# Allegro board Try it by yourself - iMX6Rex module - Create Class and Assign Color.brd (continued)
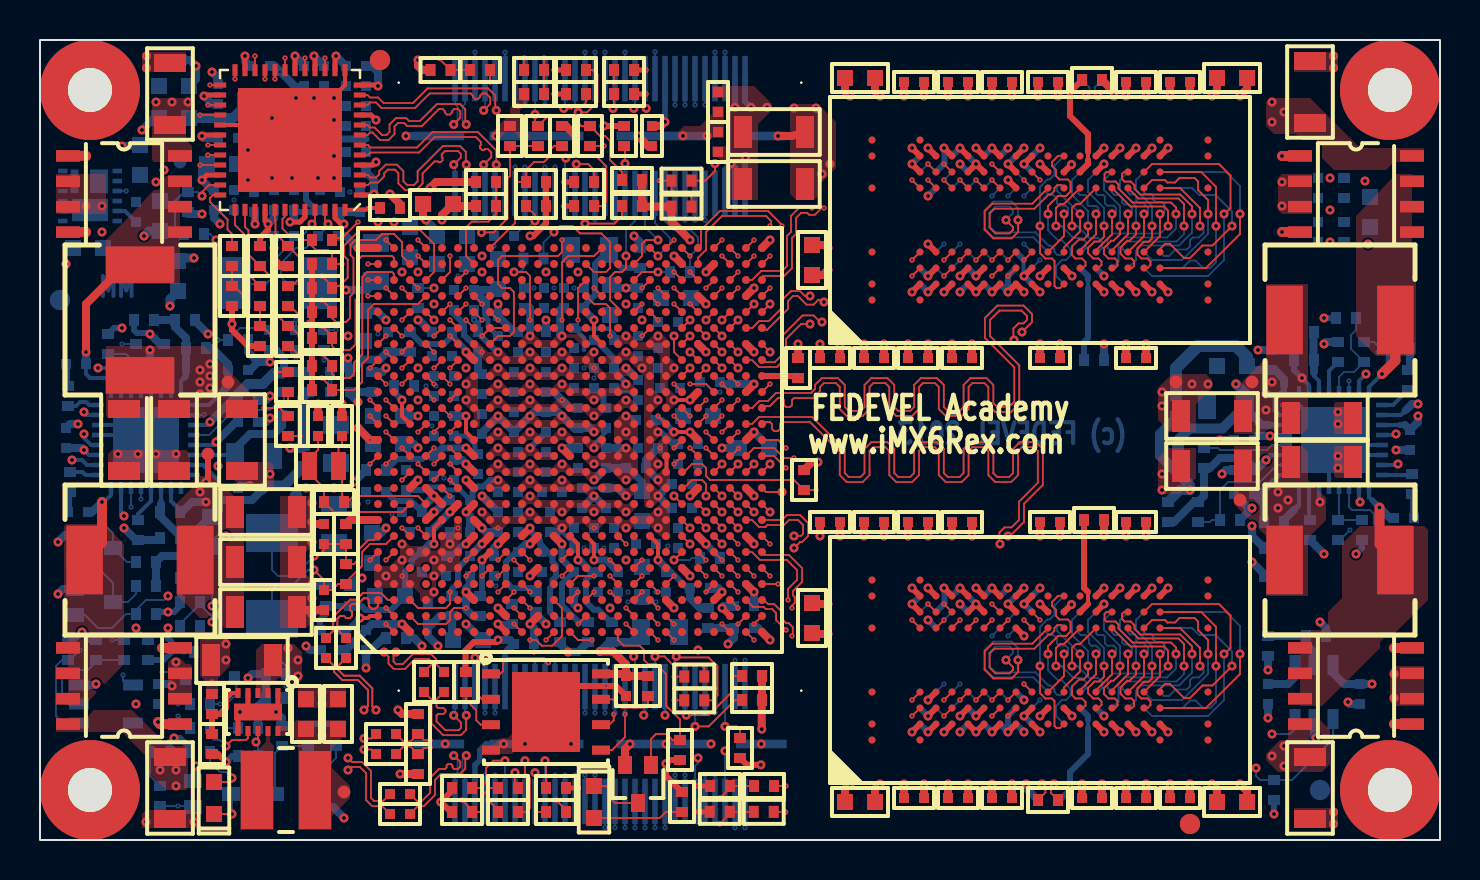
[diagram p0: board, top side]
## Routing (per net, layer and track width the routed paths; a pad name or vN(x,y) marks a point on that pad's centre or on a via; arc(x,y) is an arc through that point) (continued)
  BOTTOM w0.2: v1(1.6,19) 2.1,19 2.35,18.75 U11.18
LGATE2_1V5: length 11
  TOP w0.5: v1(67.7,9.6) 68.59,9.6 Q7.4
  L3 w0.5: v1(67.9,18.8) 67.7,18.6 67.7,18.4
  L3 w0.6: 67.7,9.9 v1(67.7,9.6)
  L3 w0.8: 67.7,18.4 67.7,9.9
  BOTTOM w0.2: v1(67.9,18.8) 67.85,18.75 U13.23
LGATE2_1V375: length 11.2
  TOP w0.5: v1(2.3,30.4) 2.29,30.4 Q4.4
  L3 w0.6: 2.3,30 v1(2.3,30.4) ; v1(2.2,21.4) 1.9,21.7
  L3 w0.8: 2.3,30 2.3,28.7 1.57,27.98 1.57,22.03 1.9,21.7
  BOTTOM w0.2: v1(2.2,21.4) 2.35,21.25 U11.23
LVDS0_CABC: length 46.6
  TOP w0.093: v1(34.25,5.68) 34.82,5.68 35,5.5 R33.1 ; U1.A17 v2(17.3,22.8)
  L2 w0.1: v3(17,22.5) v2(17.3,22.8)
  L3 w0.08: v1(34.25,5.68) 33.84,5.68 33.28,5.12 31.9,5.12 31.65,5.38 31.01,5.38 30.69,5.05 30.16,5.05 29.83,5.38 29.21,5.38 28.95,5.12 27.12,5.12 26.83,5.41 26.34,5.41 26.1,5.17 25.85,5.17 25.6,5.43 22.49,5.43 22.22,5.7 21.18,5.7 21.08,5.8 20.4,5.8 20.2,6 19.2,6 18.92,5.73 18.17,5.73 17.89,5.45 17.55,5.45 16.87,6.13 15.8,6.13 15.52,6.41 15.52,7.17 14.63,8.05 13.65,8.05 12.9,7.3 v4(12.9,7.1) ; v3(17,22.5) v4(17.3,22.2)
  L10 w0.08: v4(17.3,22.2) 17.3,22.18 16.22,21.1 15.87,21.1 15.3,20.53 15.3,18.31 15.12,18.13 15.12,17.49 14.7,17.07 14.7,10.4 13.27,8.98 13.27,8.04 12.9,7.67 v4(12.9,7.1)
  BOTTOM w0.093: v1(34.25,5.68) J2.6
LVDS0_CLK_N: length 17.5
  TOP w0.09: U1.V4 v2(30.9,12.4)
  L2 w0.1: v3(30.6,12.7) v2(30.9,12.4)
  L3 w0.085: v4(30.3,12.4) v3(30.6,12.7)
  L10 w0.085: v5(32.05,2.84) 32,2.89 30.71,2.89 30,3.6 30,4.36 30.6,4.96 30.6,8.1 30.17,8.53 28.87,8.53 28.37,9.03 28.37,9.76 28.8,10.2 29.4,10.2 29.62,10.42 29.62,11.72 v4(30.3,12.4)
  L11 w0.1: v6(32.25,3.24) 32.05,3.04 v5(32.05,2.84)
  BOTTOM w0.09: J2.13 v6(32.25,3.24)
LVDS0_CLK_P: length 17.5
  TOP w0.09: U1.V3 v2(30.9,11.6)
  L2 w0.1: v3(30.6,11.9) v2(30.9,11.6)
  L3 w0.085: v3(30.6,11.9) v4(30.9,12.2)
  L10 w0.085: v4(30.9,12.2) 30.75,12.2 30.49,11.94 30.23,11.94 29.9,11.6 29.9,10.3 29.52,9.92 28.92,9.92 28.65,9.65 28.65,9.15 28.98,8.81 30.28,8.81 30.88,8.22 30.88,4.84 30.28,4.24 30.28,3.72 30.82,3.17 31.85,3.17 31.95,3.27 v5(31.95,3.64)
  L11 w0.1: v6(31.75,3.24) 31.95,3.44 v5(31.95,3.64)
  BOTTOM w0.09: J2.15 v6(31.75,3.24)
LVDS0_PWM: length 52.6
  TOP w0.093: v2(20.5,23.6) U1.F18
  L2 w0.1: v3(20.1,23.3) 20.4,23.6 v2(20.5,23.6)
  L3 w0.08: v4(20.4,22.8) 20.1,23.1 v3(20.1,23.3) ; v1(34.25,4.46) 34.22,4.43 33.38,4.43 32.94,4.87 31.81,4.87 31.5,5.17 31.14,5.17 30.77,4.8 30.07,4.8 29.7,5.17 29.34,5.17 29.04,4.87 27.04,4.87 26.72,5.18 26.39,5.18 26.11,4.9 25.75,4.9 25.47,5.18 22.36,5.18 22.14,5.4 21.2,5.4 21,5.6 20.32,5.6 20.12,5.8 19.28,5.8 19.01,5.53 18.3,5.53 17.97,5.2 17.47,5.2 16.74,5.93 15.62,5.93 15.32,6.23 15.32,7.03 14.55,7.8 13.9,7.8 13.27,7.17 13.27,6.48 v4(13.1,6.3)
  L10 w0.08: v4(20.4,22.8) 20.9,22.3 20.9,21.87 20.66,21.63 19.85,21.63 19.1,22.38 18.74,22.38 18.52,22.16 18.52,21.89 18.23,21.6 17,21.6 16.27,20.87 16.27,20.44 16.03,20.2 15.7,20.2 15.5,20 15.5,18.23 15.32,18.05 15.32,17.41 14.9,16.99 14.9,10.32 13.47,8.89 13.47,7.96 13.27,7.76 13.27,6.48 v4(13.1,6.3)
  BOTTOM w0.093: J2.5 v1(34.25,4.46)
LVDS0_TX0_N: length 17.4
  TOP w0.09: v2(29.3,11.6) U1.U2
  L2 w0.1: v2(29.3,11.6) v3(29,11.3)
  L3 w0.085: v4(28.6,10.9) v3(29,11.3)
  L10 w0.085: v4(28.6,10.9) 28.78,11.08 28.78,11.36 28.87,11.45 28.87,11.75 28.52,12.1 28.52,13.04 29.12,13.63 29.45,13.63 30.49,14.67 31.94,14.67 33.28,13.34 33.28,13.02 33.73,12.57 33.73,11.38 35.05,10.07 35.05,8.91 34.85,8.71 v5(34.85,8.58)
  L11 w0.1: v5(34.85,8.58) v6(35.25,8.98)
  BOTTOM w0.09: J2.2 v6(35.25,8.98)
LVDS0_TX0_P: length 17.4
  TOP w0.09: v2(29.3,10.8) U1.U1
  L2 w0.1: v2(29.3,10.8) v3(29.6,11.1)
  L3 w0.085: v4(29.2,10.7) v3(29.6,11.1)
  L10 w0.085: v5(34.35,8.58) 34.35,8.61 34.77,9.03 34.77,9.95 33.45,11.27 33.45,12.45 33,12.9 33,13.22 32.57,13.65 32.37,13.65 32.21,13.49 32.07,13.49 31.96,13.6 31.96,13.74 32.12,13.9 32.12,14.1 31.83,14.39 30.61,14.39 29.57,13.35 29.23,13.35 28.8,12.92 28.8,12.22 29.15,11.87 29.15,11.33 29.06,11.25 29.06,10.84 v4(29.2,10.7)
  L11 w0.1: v5(34.35,8.58) v6(34.75,8.98)
  BOTTOM w0.09: J2.4 v6(34.75,8.98)
LVDS0_TX1_N: length 17.4
  TOP w0.09: U1.U4 v2(30.1,13.2)
  L2 w0.1: v3(29.8,12.9) v2(30.1,13.2)
  L3 w0.085: v3(29.8,12.9) U1.U4 29.4,12.8 v4(29.3,12.9)
  L10 w0.085: v5(33.75,6.76) 34.04,6.76 34.28,6.52 34.28,6.25 34.68,5.85 35.3,5.85 35.7,6.25 35.7,7.5 35.16,8.04 34.24,8.04 33.9,8.38 33.9,9.02 33.55,9.37 33.55,10.45 32.93,11.07 32.93,11.62 31.37,13.18 29.96,13.18 29.69,12.9 29.3,12.9 v4(29.3,12.9)
  L11 w0.1: v6(33.75,6.36) v5(33.75,6.76)
  BOTTOM w0.09: v6(33.75,6.36) J2.8
LVDS0_TX1_P: length 17.4
  TOP w0.09: U1.U3 v2(30.1,12.4)
  L2 w0.1: v3(29.8,12.1) v2(30.1,12.4)
  L3 w0.085: v3(29.8,12.1) 29.6,12.3 v4(29.3,12.3)
  L10 w0.085: v5(33.25,6.76) 33.25,6.95 33.43,7.13 33.9,7.13 34,7.04 34.16,7.04 34.56,6.64 34.56,6.37 34.8,6.13 35.18,6.13 35.42,6.37 35.42,7.38 35.05,7.76 34.13,7.76 33.62,8.26 33.62,8.9 33.27,9.25 33.27,10.34 32.65,10.95 32.65,11.5 31.25,12.9 30.08,12.9 29.8,12.62 29.68,12.62 29.35,12.3 v4(29.3,12.3)
  L11 w0.1: v6(33.25,6.36) v5(33.25,6.76)
  BOTTOM w0.09: v6(33.25,6.36) J2.10
LVDS0_TX2_N: length 17.4
  TOP w0.09: U1.V2 v2(30.9,10.8)
  L2 w0.1: v3(30.6,11.1) v2(30.9,10.8)
  L3 w0.085: v4(30.3,10.8) v3(30.6,11.1)
  L10 w0.085: v4(30.3,10.8) 30.89,10.8 31.28,10.42 31.28,9.88 31.4,9.76 31.4,8.9 31.94,8.35 31.94,6.07 32.3,5.72 32.3,5.15 31.95,4.8 31.95,4.6 32.51,4.04 32.51,3.84 32.81,3.53 32.81,2.78 33.13,2.47 35.43,2.47 35.8,2.1 35.8,1.57 v5(35.25,1.02)
  L11 w0.1: v6(35.25,0.62) v5(35.25,1.02)
  BOTTOM w0.09: v6(35.25,0.62) J2.1
LVDS0_TX2_P: length 17.4
  TOP w0.09: U1.V1 v2(30.9,10)
  L2 w0.1: v3(30.6,10.3) v2(30.9,10)
  L3 w0.085: v4(30.3,10) v3(30.6,10.3)
  L10 w0.085: v5(34.75,1.02) 34.75,1.04 35.1,1.39 35.23,1.39 35.52,1.68 35.52,1.98 35.32,2.19 33.01,2.19 32.53,2.67 32.53,3.42 32.23,3.72 32.23,3.92 31.67,4.48 31.67,4.92 32.02,5.27 32.02,5.6 31.66,5.96 31.66,8.24 31.12,8.78 31.12,9.64 31,9.76 31,10.3 30.78,10.52 30.67,10.52 30.3,10.15 v4(30.3,10)
  L11 w0.1: v6(34.75,0.62) v5(34.75,1.02)
  BOTTOM w0.09: v6(34.75,0.62) J2.3
LVDS0_TX3_N: length 17.4
  TOP w0.09: U1.W2 v4(31.7,10.8)
  L2 w0.1: v3(31.4,11.1) v4(31.7,10.8)
  L3 w0.085: v3(31.4,11.1) v4(31.7,10.8)
  L10 w0.085: v5(33.75,3.64) 35.06,3.64 35.68,3.02 36.52,3.02 36.98,3.48 36.98,4.02 36.57,4.43 35.91,4.43 35.45,4.9 34.9,4.9 34.48,5.31 34.1,5.31 32.97,6.44 32.97,8.73 32.53,9.17 32.53,10.26 32.18,10.62 31.88,10.62 v4(31.7,10.8)
  L11 w0.1: v6(33.75,3.24) v5(33.75,3.64)
  BOTTOM w0.09: J2.7 v6(33.75,3.24)
LVDS0_TX3_P: length 17.4
  TOP w0.09: U1.W1 v4(31.7,10)
  L2 w0.1: v3(31.4,10.3) v4(31.7,10)
  L3 w0.085: v3(31.4,10.3) v4(31.7,10)
  L10 w0.085: v4(31.7,10) 31.7,10.24 31.8,10.34 32.06,10.34 32.25,10.15 32.25,9.05 32.69,8.62 32.69,6.33 33.98,5.03 34.37,5.03 34.78,4.62 35.33,4.62 35.8,4.15 36.45,4.15 36.7,3.9 36.7,3.6 36.4,3.3 35.8,3.3 35.17,3.92 34,3.92 33.9,4.02 33.6,4.02 33.25,3.67 v5(33.25,3.64)
  L11 w0.1: v6(33.25,3.24) v5(33.25,3.64)
  BOTTOM w0.09: J2.9 v6(33.25,3.24)
NETC88_1: length 2.1
  BOTTOM w0.4: U6.4 62.75,8.15 62.4,7.8 C88.1
NETC211_2: length 1
  BOTTOM w0.4: C211.2 1.4,17.3 R122.1
NETC212_1: length 1.1
  BOTTOM w0.4: C212.1 1.3,22.8 R121.2
NETC230_2: length 1.1
  BOTTOM w0.4: R145.1 68.5,23.6 C230.2
NETC231_1: length 1.2
  BOTTOM w0.4: C231.1 68.7,17.2 R146.2
NETD2_1: length 2.1
  TOP w0.093: D2.1 v1(9.6,1.3)
  BOTTOM w0.093: v1(9.6,1.3) 9.6,2.15 9.45,2.3 Q1.3
NETD2_2: length 2.9
  TOP w0.093: D2.2 9.4,2.9 v1(9.6,3.1)
  BOTTOM w0.093: v1(9.6,3.1) 9.3,3.4 9,3.4 8.5,3.9 R113.1
NETD3_1: length 2.8
  TOP w0.093: D3.1 28.3,2.7 28.5,2.5 28.5,2.1 28.75,1.85 Q2.3
NETD3_2: length 4.5
  TOP w0.093: R114.1 31.28,1.4 30.98,1.1 D3.2
NETQ5_1: length 5
  BOTTOM w0.093: Q5.1 2.55,13.95 3.65,12.85 Q8.3 4.4,11.9 4.8,12.3 R131.1
NETR106_1: length 1.4
  TOP w0.093: U12.8 10.9,5 v1(10.8,4.9)
  BOTTOM w0.093: v1(10.8,4.9) 10.9,4.8 R106.1 10.9,4.1
NETR109_2: length 3
  TOP w0.093: R109.2 30.4,6.8 30.22,6.62 29.06,6.62 28.64,7.04 U10.7
NETR110_1: length 2.5
  TOP w0.093: R110.1 21.3,7 21.81,6.49 21.81,5.99 22.04,5.77 U10.3
NETR121_1: length 1.6
  BOTTOM w0.2: R121.1 1.8,21.7 2,21.9 2.3,21.9 2.45,21.75 U11.24
NETR122_2: length 1.5
  BOTTOM w0.2: R122.2 2.12,18.4 2.27,18.25 U11.17
NETR124_1: length 1.5
  BOTTOM w0.2: U11.31 6.55,23.45 R124.1
NETR125_2: length 1.9
  BOTTOM w0.2: U11.12 5.55,16.95 4.9,16.3 R125.2
NETR128_1: length 7.5
  L10 w0.08: v5(8.5,21.58) 8.5,21.9 8.9,22.3 v5(8.9,24.6)
  L11 w0.1: v6(8.2,21.28) v5(8.5,21.58) ; v5(8.9,24.6) v6(8.9,25)
  BOTTOM w0.093: R128.1 10.9,25.5 10.8,25.6 10,25.6 R133.2 v6(8.9,25) ; 8.2,21.25 8.25,21.25 ; 8.2,21.25 v6(8.2,21.28) ; 8.2,21.25 U11.2
NETR145_2: length 1.6
  BOTTOM w0.2: R145.2 67.65,21.75 U13.17
NETR146_1: length 1.5
  BOTTOM w0.2: R146.1 68.55,18.25 U13.24
NETR148_1: length 1.6
  BOTTOM w0.2: U13.31 63.45,16.05 R148.1
NETR149_2: length 1.7
  BOTTOM w0.2: R149.2 64.45,23.45 U13.12
NETR152_1: length 6.5
  BOTTOM w0.093: U13.2 61.85,18.75 61,17.9 59.4,17.9 59,17.5 R155.2 58.6,16 58.5,15.9 R152.1
ON_5V_LDO: length 5.6
  BOTTOM w0.093: U11.4 8.45,20.25 9.7,21.5 11.5,21.5 11.8,21.8 12,21.8 12.2,22 R127.1
ON_5V_LDO_2: length 4.2
  BOTTOM w0.093: U13.4 61.6,19.75 61.35,19.5 59,19.5 58.9,19.6 R151.1
ON_OFF: length 84.9
  TOP w0.093: U1.D12 v2(19.7,19.6)
  L2 w0.1: v2(19.7,19.6) v3(20,19.9)
  L3 w0.08: v1(4.8,10.6) 5.5,11.3 5.5,13.87 7.7,16.07 8,16.07 9.26,17.33 10.7,17.33 11,17.63 11,18.33 11.34,18.68 12.33,18.68 13.15,19.5 15.63,19.5 15.93,19.8 18.29,19.8 18.66,20.18 19.72,20.18 v3(20,19.9) ; v4(15.5,37.1) 15.7,37.1 16.42,36.38 17.02,36.38 17.17,36.23 17.17,36.09 17.44,35.83 17.76,35.83 17.93,36 19.6,36 19.96,36.36 21.78,36.36 22.03,36.11 23,36.11 23.5,36.6 23.85,36.6 24.35,37.1 25.58,37.1 25.84,37.36 28.55,37.36 29.58,38.38 30.42,38.38 30.58,38.22 30.58,38.22 30.7,38.1 34.09,38.1 v4(34.25,37.94)
  L10 w0.08: v1(4.8,10.6) 4.8,11.2 4.4,11.6 4.4,12.5 3.82,13.08 3.82,18.69 4.27,19.14 4.27,19.55 4,19.83 4,21.7 4.75,22.45 4.75,23.47 4.38,23.84 4.38,24.3 3,25.68 3,29.4 3.72,30.13 3.72,31.33 4.6,32.2 4.6,33.37 7.33,36.1 7.63,36.1 8.83,37.3 9.08,37.3 9.76,37.98 14.62,37.98 v4(15.5,37.1) ; v4(34.25,37.94) v5(34.25,38.98)
  L11 w0.1: v5(34.25,38.98) v6(34.25,39.38)
  BOTTOM w0.093: v1(4.8,10.6) R48.1 ; J1.6 v6(34.25,39.38)
PCIE_C_TX_N: length 4.9
  TOP w0.101: C63.1 14.86,10.54 14.86,11.06 15,11.2 15.2,11.2 15.3,11.1 15.5,11.1 15.6,11.2 15.6,11.4 15.5,11.5 15.5,11.5 15.5,11.7 15.6,11.8 15.9,11.8 16.19,12.09 16.36,12.09 16.45,12 16.45,11.7 16.6,11.55 16.75,11.55 16.9,11.7 U1.A3
PCIE_C_TX_P: length 4.9
  TOP w0.101: C65.1 14.65,10.45 14.65,11.15 15.51,12.02 15.81,12.02 16.15,12.35 17.05,12.35 17.4,12 U1.B3
PCIE_REXT: length 2
  TOP w0.2: v1(16,11.1) 16.4,11.1 16.5,11.2 U1.A2
  BOTTOM w0.3: v1(16,11.1) 15.4,10.5 R15.2
PCIE_RX_N: length 14.1
  TOP w0.101: v2(17.3,10.8) U1.B1
  L2 w0.1: v2(17.3,10.8) v3(17.6,10.5)
  L3 w0.085: v3(17.6,10.5) 17.1,10.5 16.7,10.9 16.7,11.78 17.07,12.15 17.83,12.15 18.58,11.4 v4(19.2,11.4)
  L10 w0.085: v4(19.2,11.4) 19.78,11.4 20.1,11.08 20.1,10.3 20.69,9.72 20.69,8.99 22.61,7.07 22.61,6.9 v5(22.75,6.76)
  L11 w0.1: v6(22.75,6.36) v5(22.75,6.76)
  BOTTOM w0.101: v6(22.75,6.36) J2.52
PCIE_RX_P: length 14.1
  TOP w0.101: v2(17.3,11.6) U1.B2
  L2 w0.1: v2(17.3,11.6) v3(17.6,11.3)
  L3 w0.085: v4(19.2,10.8) 19.2,10.85 18.85,11.2 18.5,11.2 17.75,11.95 17.15,11.95 16.9,11.7 16.9,10.98 17.18,10.7 17.39,10.7 17.6,10.91 v3(17.6,11.3)
  L10 w0.085: v4(19.2,10.8) 19.2,10.86 19.54,11.2 19.7,11.2 19.9,11 19.9,10.85 19.75,10.7 19.75,10.6 19.9,10.45 19.9,10.22 20.49,9.63 20.49,8.91 22.41,6.98 22.41,6.92 v5(22.25,6.76)
  L11 w0.1: v6(22.25,6.36) v5(22.25,6.76)
  BOTTOM w0.101: v6(22.25,6.36) J2.54
PCIE_TX_N: length 14.2
  TOP w0.101: C63.2 14.91,8.72 14.91,8.5 15.2,8.22 15.98,8.22 16.61,7.59 16.61,6.69 v1(16.8,6.5)
  L10 w0.085: v1(16.8,6.5) 16.8,6.4 16.64,6.24 16.64,5.66 18.56,3.74 21.44,3.74 21.98,4.29 22.38,4.29 22.6,4.07 22.6,3.74 22.7,3.64 v5(22.75,3.64)
  L11 w0.1: v6(22.75,3.24) v5(22.75,3.64)
  BOTTOM w0.101: J2.51 v6(22.75,3.24)
PCIE_TX_P: length 14.2
  TOP w0.101: v1(16.2,6.5) 16.4,6.7 16.4,7.5 15.9,8 15.11,8 14.7,8.41 14.7,8.7 C65.2
  L10 w0.085: v1(16.2,6.5) 16.44,6.26 16.44,5.58 18.47,3.54 21.52,3.54 22.07,4.09 22.3,4.09 22.4,3.99 22.4,3.79 v5(22.25,3.64)
  L11 w0.1: v6(22.25,3.24) v5(22.25,3.64)
  BOTTOM w0.101: J2.53 v6(22.25,3.24)
PCIE_WAKE: length 24.3
  TOP w0.093: U1.P3 v2(27.7,12.4)
  L2 w0.1: v2(27.7,12.4) v3(28,12.1)
  L3 w0.08: v3(28,12.1) 28.6,12.1 29,11.7 29.6,11.7 29.9,11.4 29.9,9.87 30.37,9.39 30.37,9.02 30.59,8.81 31.21,8.81 31.52,8.49 32.2,8.49 32.44,8.25 32.44,8.02 34.62,5.84 34.62,4.2 34.43,4 33.53,4 32.98,4.55 31.59,4.55 31.46,4.43 27.11,4.43 v4(27.05,4.37)
  L10 w0.08: v4(27.05,4.37) 26.68,4.37 v5(25.95,3.64)
  L11 w0.1: v6(25.75,3.24) 25.75,3.44 v5(25.95,3.64)
  BOTTOM w0.093: J2.39 v6(25.75,3.24)
PHASE1_2V5: length 6.7
  TOP w0.5: v1(67.1,23.3) 67.77,23.97 L4.2
  BOTTOM w0.2: v1(67.1,23.3) 66.45,22.65 U13.16 ; C230.1 67.4,24.5 67.4,23.6
  BOTTOM w0.4: C230.1 67.5,23.7 67.4,23.6 v1(67.1,23.3)
PHASE1_3V3: length 5.1
  TOP w0.5: v1(3.1,16.9) 3.1,14.87 L1.2
  BOTTOM w0.2: U11.16 3.55,17.25 3.2,16.9 v1(3.1,16.9)
  BOTTOM w0.4: C211.1 2.6,16.4 v1(3.1,16.9)
PHASE2_1V5: length 5.1
  TOP w0.5: v1(66.97,16.63) 66.97,14.79 L5.1
  BOTTOM w0.2: 66.6,17 66.45,17.15 U13.25
  BOTTOM w0.3: 66.6,17 v1(66.97,16.63)
  BOTTOM w0.4: C231.2 67.5,16.1 v1(66.97,16.63)
PHASE2_1V375: length 8.9
  TOP w0.4: L2.1 4.27,28.77 2.3,26.8 v1(2.3,24.4)
  BOTTOM w0.2: C212.2 2.3,23.3 2.5,23.1 3.3,23.1 3.55,22.85 U11.25
  BOTTOM w0.4: C212.2 v1(2.3,24.4)
PMIC_ON_REQ: length 23.7
  TOP w0.093: v2(18.9,18.8) U1.D11
  L2 w0.1: v2(18.9,18.8) v3(19.2,19.1)
  L3 w0.08: v3(19.2,19.1) 19.1,19 18.07,19 17.37,18.3 16.3,18.3 16.02,18.58 13.37,18.58 12.5,17.7 12.5,17.23 11.67,16.4 9.52,16.4 8.45,15.33 8.13,15.33 6.4,13.6 v1(6.4,12.2)
  BOTTOM w0.093: v1(6.4,12.2) 6.2,12 5.3,12 4.8,11.5 R73.1 4.3,11.3 3.6,10.6 2.9,10.6 2.25,11.25 Q8.1
PMIC_STBY_REQ: length 10.2
  TOP w0.093: v2(20.5,18.8) U1.F11
  L2 w0.1: v2(20.5,18.8) v3(20.8,19.1)
  L3 w0.08: v1(13.3,17.6) 13.7,18 15.07,18 15.57,17.5 17.4,17.5 18.12,18.22 18.12,18.32 18.6,18.8 v2(20.5,18.8) v3(20.8,19.1)
  BOTTOM w0.093: TP3.1 13.2,17.6 v1(13.3,17.6)
POK_1V5: length 9
  L10 w0.08: v5(65.2,15.8) 65.45,16.05 v5(65.45,22.55)
  L11 w0.1: v5(65.2,15.8) v6(65.5,15.5) ; v5(65.45,22.55) v6(65.45,22.95)
  BOTTOM w0.093: v6(65.5,15.5) 65,15 R164.1 ; U13.14 v6(65.45,22.95)
POK_1V5_R: length 2.8
  BOTTOM w0.093: R154.1 R164.2 64.95,16.05 U13.28
POK_1V375: length 103.2
  L3 w0.08: v4(65.9,31.4) 65.87,31.43 65.87,33.93 62.15,37.65 52.4,37.65 51.7,38.35 38.85,38.35 38.5,38.7 37.25,38.7 35.65,37.1 34,37.1 33.67,37.43 31.12,37.43 30.79,37.1 30.02,37.1 29.82,37.3 29.2,37.3 28.85,36.96 26.01,36.96 25.71,36.65 24.59,36.65 23.64,35.71 21.95,35.71 21.65,35.41 20.37,35.41 20.18,35.6 18.1,35.6 17.92,35.43 16.56,35.43 16.34,35.65 15.16,35.65 14.94,35.43 14.12,35.43 v4(13.8,35.1)
  L10 w0.08: v4(65.9,31.4) 66.8,30.5 66.8,28.3 66.2,27.7 66.2,23.9 65.9,23.6 65.9,23 66.6,22.3 v5(66.6,15.9) ; v5(4.4,25.1) 4.07,25.1 3.3,25.87 3.3,29.3 4,30 4,31.2 4.9,32.1 4.9,33.34 7.4,35.84 7.74,35.84 8.9,37 9.2,37 9.92,37.73 13.65,37.73 14.12,37.25 14.12,35.43 v4(13.8,35.1)
  L11 w0.1: v6(4.1,24.8) v5(4.4,25.1) ; v5(66.6,15.9) v6(66.9,15.6)
  BOTTOM w0.093: U13.27 65.45,16.65 65.6,16.5 66.5,16.5 66.7,16.3 66.7,15.8 v6(66.9,15.6) ; v6(4.1,24.8) R108.1
POK_1V375_R: length 3.1
  BOTTOM w0.093: R130.1 4.3,24.3 R108.2 4.8,23.35 5.05,23.1 U11.28
POK_2V5: length 100.4
  L3 w0.08: v4(12.8,36.1) 13.27,35.63 14.86,35.63 15.13,35.9 16.37,35.9 16.64,35.63 17.84,35.63 18.01,35.8 20.18,35.8 20.53,36.16 21.65,36.16 21.9,35.91 23.5,35.91 24.47,36.88 25.64,36.88 25.92,37.16 28.7,37.16 29.04,37.5 29.9,37.5 30.09,37.32 30.72,37.32 31.15,37.75 33.85,37.75 34.14,37.46 35.61,37.46 37.05,38.9 38.7,38.9 39,38.6 51.9,38.6 52.5,38 62.3,38 66.7,33.6 66.7,32.3 v4(66.4,32)
  L10 w0.08: v4(12.8,36.1) 13.3,36.6 13.3,37.13 12.96,37.48 10.07,37.48 9.3,36.7 9,36.7 7.87,35.57 7.47,35.57 5.2,33.31 5.2,32 4.3,31.1 4.3,29.9 3.6,29.2 3.6,26.3 3.92,25.98 4.26,25.98 4.7,25.53 4.7,23.9 5,23.6 5,22.2 4.3,21.5 4.3,20.1 4.53,19.87 4.53,17.08 v5(4.55,17.05) ; v4(66.4,32) 67.4,31 67.4,28.2 66.6,27.4 v5(66.6,24.7)
  L11 w0.1: v5(66.6,24.7) v6(66.9,24.4) ; v6(4.55,16.65) v5(4.55,17.05)
  BOTTOM w0.093: v6(4.55,16.65) U11.14 ; v6(66.9,24.4) 66.9,24.7 66.7,24.9 R163.1
POK_2V5_R: length 4.9
  BOTTOM w0.093: U13.13 64.95,23.15 65.2,23.4 65.7,23.4 R163.2 65.55,24.55 65.55,25.25 65.8,25.5 R153.1
POK_3V0_SNVS: length 3
  TOP w0.093: v1(9.3,4.7) 9.6,5 10.3,5 10.4,5.1 U12.7
  BOTTOM w0.093: v1(9.3,4.7) 9,5 8.7,5 8.5,5.2 R93.1
POK_3V3: length 107.7
  L3 w0.08: v4(6.8,1.7) 8.3,3.2 8.3,6.2 8.8,6.7 9.68,6.7 10.38,7.4 11.33,7.4 12.17,6.56 12.17,6.34 12.85,5.67 13.37,5.67 13.88,6.17 14.32,6.17 15.02,5.48 16.33,5.48 16.63,5.17 16.63,5 17.89,3.75 19.13,3.75 19.8,4.42 19.8,5 20,5.2 20.5,5.2 20.95,4.75 21.74,4.75 22.9,3.59 23.41,3.59 23.56,3.74 23.94,3.74 24.09,3.59 24.44,3.59 24.59,3.74 24.94,3.74 25.09,3.59 25.41,3.59 25.61,3.79 25.61,3.79 26.7,3.79 26.8,3.69 30.89,3.69 31.14,3.44 32.5,3.44 32.76,3.18 34.4,3.18 34.5,3.08 37.32,3.08 38.22,2.18 53.01,2.18 54.01,3.17 61.07,3.17 61.4,3.5 61.4,3.87 61.22,4.04 61.22,4.93 v1(61.6,5.3)
  L10 w0.08: v5(7.3,1.7) v4(6.8,1.7) 6.3,1.7 5.4,2.6 5.4,4.2 4.8,4.8 4.8,5.6 4.42,5.98 4.42,7.93 v5(4.45,7.95) 3.9,8.5 3.9,10.6 3.5,11 3.5,11.6 2.4,12.7 2.4,18.2 2.9,18.7 2.9,22.39 3.68,23.17 3.68,24 2.4,25.28 2.4,29.88 2.72,30.2 2.72,32.03 3.15,32.45 v5(3.91,32.45)
  L11 w0.1: v5(3.91,32.45) v6(4.31,32.45) ; v6(6.9,1.7) v5(7.3,1.7) ; v6(4.15,8.25) v5(4.45,7.95)
  BOTTOM w0.093: U7.4 4.3,7.8 4.15,7.95 v6(4.15,8.25) ; Q1.1 7.65,1.7 ; 7.65,1.7 v6(6.9,1.7) R107.1 ; 7.65,1.7 7.7,1.7 7.75,1.65 ; U9.9 v6(4.31,32.45) ; U6.3 62.75,5.55 62.5,5.3 v1(61.6,5.3)
POK_3V3_R: length 19.3
  L10 w0.08: v5(5.5,4.6) 6.8,5.9 6.8,6.9 6.4,7.3 6,7.3 5.3,8 5.3,8.4 4.7,9 4.7,9.97 5.17,10.44 5.17,11.33 4.7,11.8 4.7,12.8 4.2,13.3 4.2,15 5.05,15.85 v5(5.05,17.45)
  L11 w0.1: v6(5.05,17.05) v5(5.05,17.45) ; v5(5.5,4.6) v6(5.5,5)
  BOTTOM w0.093: v6(5.05,17.05) U11.13 ; v6(5.5,5) R129.1 5.5,3.2 R107.2
POR_BN: length 88.5
  TOP w0.093: v2(18.1,18) U1.C11
  L2 w0.1: v3(17.8,18.3) v2(18.1,18)
  L3 w0.08: v1(60.8,3.6) 52.37,3.6 51.19,2.43 38.36,2.43 37.4,3.38 32.92,3.38 32.5,3.8 31.85,3.8 31.46,4.19 31.09,4.19 30.89,3.99 26.7,3.99 26.32,4.38 22.5,4.38 21.88,5 21.08,5 20.68,5.4 19.82,5.4 19.5,5.08 19.5,4.5 19.05,4.05 17.96,4.05 16.83,5.18 16.83,5.26 16.41,5.68 15.22,5.68 14.52,6.38 13.79,6.38 13.32,5.9 12.95,5.9 12.47,6.38 12.47,6.64 11.41,7.7 10.3,7.7 9.7,7.1 v4(9.1,7.1) 8.2,7.1 7.6,7.7 7.6,10.63 7.02,11.2 7.02,13.84 8.27,15.08 8.58,15.08 9.6,16.1 11.75,16.1 12.75,17.1 12.75,17.58 13.44,18.28 15.9,18.28 16.17,18 17.5,18 v3(17.8,18.3)
  L10 w0.08: v4(9.1,7.1) v5(9.4,6.8)
  L11 w0.1: v6(9,6.8) v5(9.4,6.8)
  BOTTOM w0.093: D1.1 9.82,8.1 9.82,7.29 9.32,6.8 v6(9,6.8) R70.1 ; U6.1 64.65,5.05 62.6,3 R60.1 61,3 60.8,3.2 v1(60.8,3.6)
REFIN2_1V5: length 4.7
  BOTTOM w0.2: 62.87,16.68 62.95,16.75 U13.32
  BOTTOM w0.3: 62.7,16.5 62.87,16.68
  BOTTOM w0.4: 62.7,16.5 62.2,16 R135.1 R134.1 R158.2
REFIN2_1V375: length 5
  BOTTOM w0.2: 7.2,23.1 7.05,22.95 U11.32
  BOTTOM w0.3: 7.3,23.4 7.3,23.2 7.2,23.1
  BOTTOM w0.4: 7.3,23.4 R120.2 7.3,25.1 6.75,25.65 R119.1 R136.2
RGMII_INT: length 35
  TOP w0.093: U8.38 10.25,30.65 10.42,30.48 10.42,29.28 R89.1 11.7,28 11.7,26.4 R88.2 12.5,25.7 v2(13,25.2) ; v2(30.9,27.6) U1.W22
  L2 w0.1: v3(12.6,25.2) v2(13,25.2) ; v2(30.9,27.6) v3(31.2,27.3)
  L3 w0.08: v3(31.2,27.3) 31.2,26.19 30.9,25.89 30.9,25.73 30.52,25.36 30.52,25.05 29.5,24.03 29.1,24.03 28.7,24.43 28.7,25.1 28.2,25.6 27.5,25.6 27.32,25.78 27.32,26.28 26.81,26.79 26.13,26.79 25.99,26.64 25.05,26.64 23.85,25.44 23.85,23.65 23.4,23.2 22.3,23.2 21.5,24 21.1,24 20.87,24.23 20.07,24.23 19.88,24.42 17.75,24.42 17.42,24.75 14.93,24.75 14.58,25.1 12.7,25.1 v3(12.6,25.2)
RGMII_INT_R: length 29.2
  TOP w0.093: v2(13,24.2) 12.5,24.7 R88.1 ; U1.V21 v2(30.9,26)
  L2 w0.1: v2(30.9,26) v3(31.2,25.7) ; v3(12.7,24.5) v2(13,24.2)
  L3 w0.08: v3(31.2,25.7) 31.32,25.58 31.32,25.09 30.86,24.63 30.6,24.63 29.72,23.76 29.72,23.49 29.46,23.22 29.07,23.22 28.5,23.8 28.5,25 28.15,25.35 27.45,25.35 27.02,25.78 27.02,26.28 26.72,26.59 26.27,26.59 26.06,26.38 25.07,26.38 24.1,25.4 24.1,23.1 23.4,22.4 22.3,22.4 21.47,23.22 21.14,23.22 20.92,23.44 20.92,23.81 20.75,23.98 19.91,23.98 19.7,24.19 17.61,24.19 17.32,24.48 14.7,24.48 14.4,24.78 13.2,24.78 12.92,24.5 v3(12.7,24.5)
RGMII_MDC: length 26.8
  TOP w0.093: v2(10.2,27.2) 9.7,27.7 R87.1 R85.1 9.6,28.8 ; v2(30.1,25.2) U1.V20
  L2 w0.1: v2(10.2,27.2) v3(10.5,27.5) ; v3(29.8,25.5) v2(30.1,25.2)
  L3 w0.08: v3(10.5,27.5) 11.8,26.2 12.88,26.2 13.1,26.43 13.91,26.43 14.4,25.94 16.22,25.94 16.41,26.13 16.89,26.13 17.14,26.38 17.46,26.38 17.85,25.99 18,25.99 18.28,25.7 18.28,25.55 18.45,25.39 20.15,25.39 20.54,25.78 20.87,25.78 22.15,24.5 22.42,24.5 23.3,25.38 23.3,25.63 24.87,27.2 27.38,27.2 28.18,26.4 28.9,26.4 v3(29.8,25.5)
RGMII_MDIO: length 29.8
  TOP w0.093: R162.1 11,25.8 ; 11,25.8 v2(11.6,25.2) ; 11,25.8 R86.1 ; v2(30.1,27.6) U1.V23
  L2 w0.1: v2(30.1,27.6) v3(30.4,27.9) ; v2(11.6,25.2) v3(11.9,25.5)
  L3 w0.08: v3(30.4,27.9) 30.9,27.4 30.9,26.4 30.6,26.1 30.6,25.88 30.2,25.48 30.2,25.2 29.8,24.8 29.17,24.8 28.92,25.04 28.92,25.78 28.67,26.03 28.2,26.03 27.23,27 24.95,27 23.5,25.55 23.5,25.2 23.27,24.98 23.27,24.24 23.03,24 22.3,24 21.52,24.78 21.08,24.78 21.02,24.72 20.72,24.72 20.25,25.19 18.36,25.19 18.08,25.46 18.08,25.62 17.92,25.79 17.68,25.79 17.52,25.63 17.14,25.63 16.89,25.87 16.44,25.87 16.25,25.68 14.31,25.68 13.82,26.18 13.18,26.18 12.91,25.9 12.3,25.9 v3(11.9,25.5)
RGMII_R_MDC: length 3.4
  TOP w0.093: R85.2 9.6,30.3 9.37,30.53 9.37,31.03 8.5,31.9 8.5,32.1 8.65,32.25 U8.36
RGMII_R_MDIO: length 4.3
  TOP w0.093: U8.37 9.75,30.75 10.2,30.3 10.2,29 10.3,28.9 10.3,28.4 R86.2
RGMII_R_RXCLK: length 4.8
  TOP w0.093: U8.35 8.45,32.75 8.1,32.4 v1(8.1,32.2)
  BOTTOM w0.093: R83.2 7.1,30.3 6.75,30.65 6.75,31.95 7.2,32.4 R101.2 7.9,32.4 v1(8.1,32.2)
RGMII_R_TXCLK: length 1.6
  TOP w0.093: U1.D21 v1(19.7,26)
  BOTTOM w0.093: v1(19.7,26) 19.1,26.6 R35.1
RGMII_RSTN: length 38.4
  TOP w0.093: v2(15.1,28.8) R75.1 14.6,29.3 14.4,29.5 13.8,29.5 13.6,29.7 R65.2 13.2,30 12.9,30.3 12.4,30.3 12.12,30.57 12.12,31.06 12.25,31.18 U8.42
  L2 w0.1: v3(14.7,28.8) v2(15.1,28.8)
  L3 w0.08: v4(10.3,30.1) 11.73,30.1 12.93,28.9 14.6,28.9 v3(14.7,28.8)
  L10 w0.08: v5(5.7,8.4) 5,9.1 5,9.99 5.4,10.39 5.4,11.5 5,11.9 5,13 4.6,13.4 4.6,14.9 5.4,15.7 5.4,19.4 4.6,20.2 4.6,21.3 5.25,21.95 5.25,23.75 5.1,23.9 5.1,25.5 6.12,26.53 6.12,26.86 6.47,27.2 7.4,27.2 v4(10.3,30.1)
  L11 w0.1: v5(5.7,8.4) v6(6.1,8.4)
  BOTTOM w0.093: D1.2 6.9,8.1 6.6,8.4 v6(6.1,8.4)
RGMII_RSTN_R: length 28.2
  TOP w0.093: U1.U21 v2(30.1,26.8) ; v2(15.9,30.9) 15.1,30.1 14.6,30.1 R65.1
  L2 w0.1: v2(15.9,30.9) v3(16.3,30.9) ; v3(29.8,26.5) v2(30.1,26.8)
  L3 w0.08: v3(16.3,30.9) 16.67,31.28 17.88,31.28 18.06,31.1 18.39,31.1 18.86,30.63 19.6,30.63 19.85,30.38 21.47,30.38 21.85,30.76 22.56,30.76 22.74,30.57 25,30.57 25.2,30.78 26.13,30.78 26.89,30.02 27.65,30.02 30,32.36 30,32.91 v4(30.37,33.28) ; v3(29.8,26.5) 30.1,26.5 v4(30.3,26.7)
  L10 w0.08: v4(30.37,33.28) 30.37,32.28 31.27,31.38 31.27,29.78 31.07,29.57 30.74,29.57 30.47,29.31 30.47,27.5 30.3,27.33 v4(30.3,26.7)
RGMII_RXCLK: length 22.7
  TOP w0.093: U1.B25 v2(17.3,30)
  L2 w0.1: v2(17.3,30) v3(17.6,29.7)
  L3 w0.08: v1(8.8,30) 8.8,30.07 9.43,30.7 9.67,30.7 9.85,30.52 9.85,30.28 9.2,29.63 9.2,29.39 9.38,29.21 9.62,29.21 9.91,29.5 10.15,29.5 10.33,29.32 10.33,29.08 10.2,28.95 10.2,28.71 10.38,28.53 10.62,28.53 11.3,29.2 11.54,29.2 11.71,29.03 11.71,28.79 11.33,28.4 11.33,28.16 11.51,27.98 11.75,27.98 12.17,28.4 14.75,28.4 14.9,28.25 14.9,28.05 15.05,27.9 15.3,27.9 15.65,28.25 15.85,28.25 16,28.1 16,27.74 16.13,27.6 17,27.6 17.2,27.4 17.2,27.1 17.45,26.85 18.42,26.85 18.58,27.02 19.01,27.02 19.2,27.2 19.2,27.8 19,28 18.7,28 18.47,28.23 18.47,28.56 17.6,29.43 v3(17.6,29.7)
  BOTTOM w0.093: v1(8.8,30) 8.5,30.3 R83.1
RGMII_RXD0: length 27.4
  TOP w0.093: v2(8.4,34.25) U8.32 ; U1.C24 18.1,29.2 18.1,29.9 17.7,30.3 17.1,30.3 16.8,30 15.77,30 15.52,29.76 15.52,29.25 15.67,29.1 15.67,27.34 15.5,27.17 15.5,26.1 15.3,25.9 14.8,25.9 14.6,26.1 R98.1 14.6,26.5 v2(14.1,27)
  L2 w0.1: v2(14.1,27) v3(14.4,26.7) ; v2(8.4,34.25) v3(8.8,34.25)
  L3 w0.08: v3(8.8,34.25) 8.57,34.03 8.57,31.98 8.4,31.8 8,31.8 7.72,31.53 7.72,31.08 7.9,30.9 7.9,29.76 9.76,27.9 10.7,27.9 11.7,26.9 12.45,26.9 12.7,27.15 13.05,27.15 13.2,27.3 13.2,27.55 13.35,27.7 13.6,27.7 13.75,27.55 13.75,27.3 13.9,27.15 14.15,27.15 14.3,27.3 14.3,27.45 14.45,27.6 14.72,27.6 14.92,27.4 14.92,26.93 14.71,26.72 14.41,26.72 v3(14.4,26.7)
RGMII_RXD1: length 27.4
  TOP w0.093: U1.B23 17.7,28.3 17.6,28.4 16.36,28.4 16.11,28.16 16.11,24.28 15.7,23.87 15.7,23.3 15.5,23.1 14.8,23.1 14.6,23.3 R97.1 14.6,23.8 v2(14.1,24.3) ; v2(8.4,34.75) U8.31
  L2 w0.1: v2(8.4,34.75) v3(8.7,35.05) ; v2(14.1,24.3) v3(14.4,24)
  L3 w0.08: v3(8.7,35.05) 8,34.35 8,33.75 7.55,33.3 7.3,33.3 7.1,33.1 7.1,30.72 7.22,30.6 7.22,28.98 7.5,28.7 8.2,28.7 11.22,25.68 11.22,25.3 11.6,24.92 11.88,24.92 12.8,24 v3(14.4,24)
